# Altium PCB pasta_razer_panthera_ps3_ps4.pcbdoc
Units mil, origin at the board's own origin, x right, y up, seen from the top; angles counter-clockwise.
Board outline 5875.98 x 2282.09 mil, 2 copper layers (Top Layer, Bottom Layer), stack 65.3 mil thick; 32 components, 44 nets, 151 pads, 134 vias.
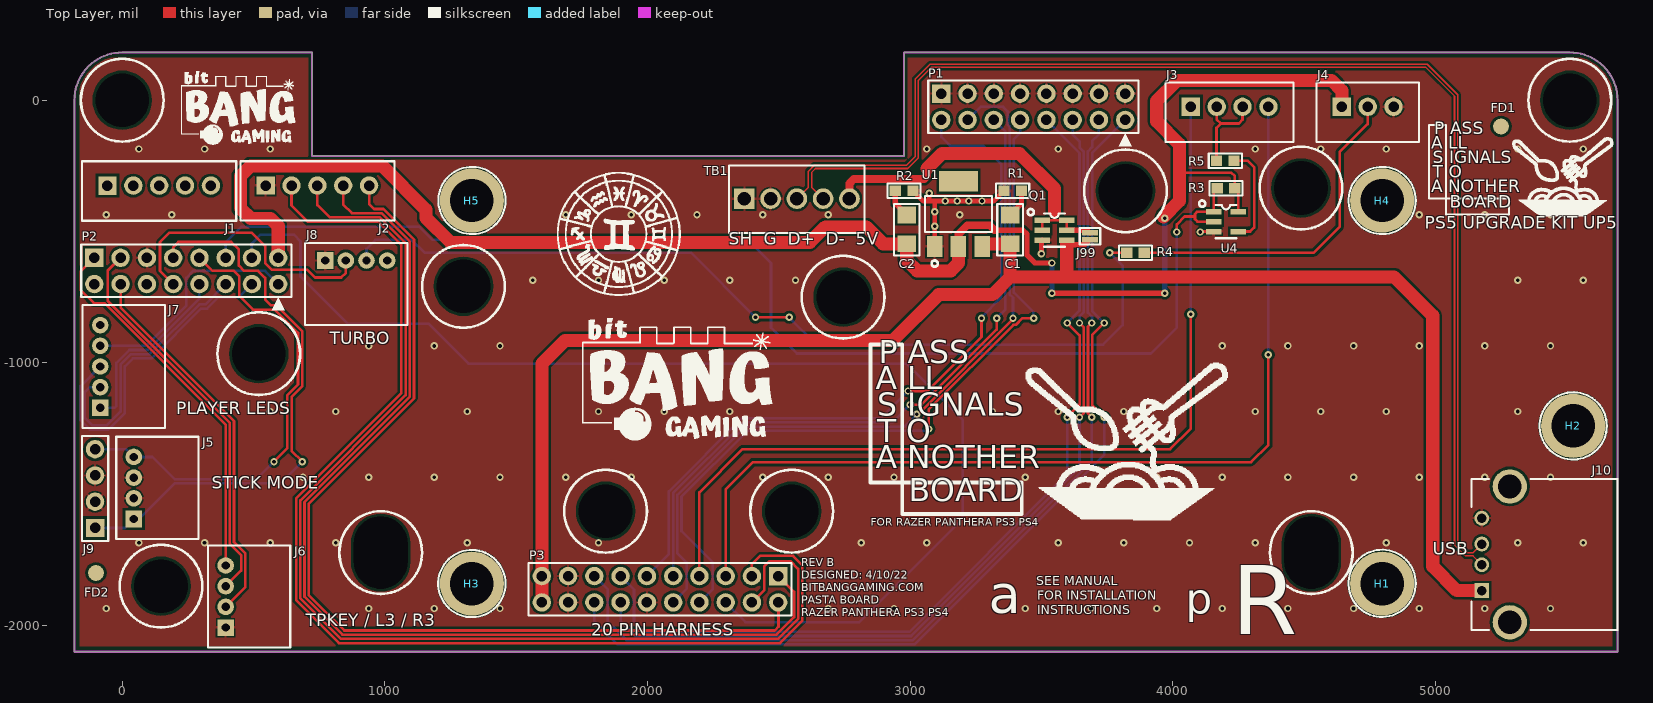
[diagram p0: Top Layer view]
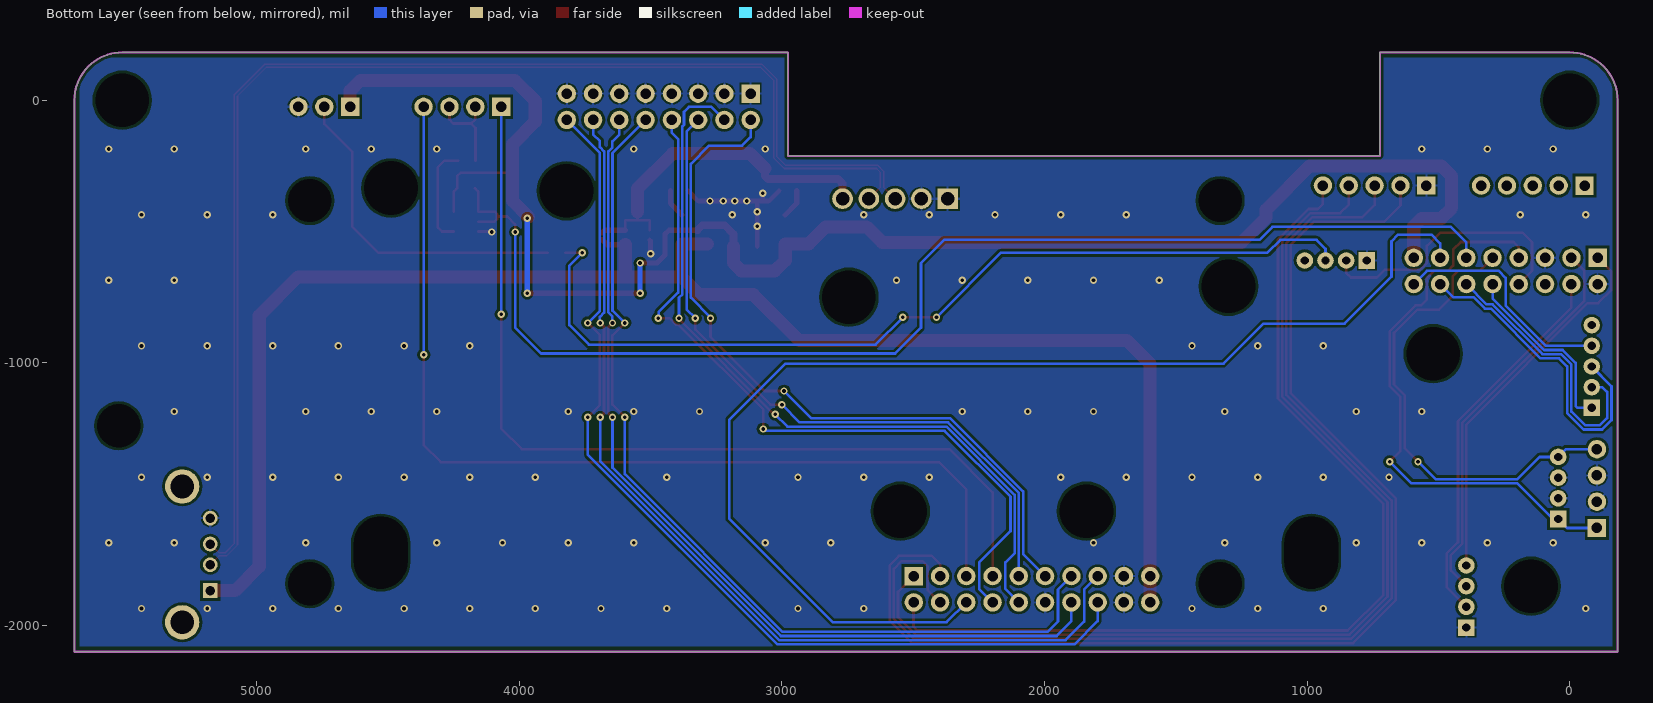
[diagram p1: Bottom Layer view, seen from below]

## Layer stack, top to bottom
Top Layer: signal copper 1.4
Dielectric: core 62.5, FR-4, Dk 4.8
Bottom Layer: signal copper 1.4

## Board outline
-182.09,-2100 -182.09,0 cw(c0,0) 0,182.09 723.43,182.09 723.43,-211.61 2977.36,-211.61 2977.36,182.09 5511.81,182.09 cw(c5511.81,0) 5693.9,0 5693.9,-2100

## Design rules (kind name [scope] priority, off if disabled: settings)
AssemblyTestPointUsage UnpouredPolygon [All] p2:
AssemblyTestPointUsage BoardOutlineClearance [All] p3:
Clearance "Clearance Polygons" [InPolygon] p1: gap=10
Clearance [All] p2: gap=6
ComponentClearance "HM-TRP & UFL" [InComponent('X1') vs InComponent('U1')] p1: gap=0 collisioncheckmode=3 verticalgap=0 showdistances=FALSE
ComponentClearance [All] p2: gap=1 collisioncheckmode=3 verticalgap=1 showdistances=FALSE
DiffPairsRouting DiffPair_DIFF90DiffPairsRouting [InDifferentialPairClass('DIFF90')] p1: maxlimit=6 minlimit=6 mostfreqgap=6 maxuncoupledlength=100
DiffPairsRouting [InNetClass('DIFF90')] p2: maxlimit=393.7 minlimit=5 mostfreqgap=8 maxuncoupledlength=500
HoleSize [All] p1: absolutevalues=TRUE maxlimit=1000 minlimit=7.87 maxpercent=80.000 minpercent=20.000
HoleToHoleClearance [All] p1: gap=10 allowstackedmicrovias=FALSE
MatchedLengths DiffPair_DIFF90MatchedLengths [InDifferentialPairClass('DIFF90')] p1: tolerance=5 checknetsindiffpair=TRUE checkdiffpairvsdiffpair=TRUE checkothers=TRUE
MinimumAnnularRing [All] p1: minimumring=3.9
MinimumSolderMaskSliver [All] p1: minsoldermaskwidth=0
PlaneClearance [All] p1: clearance=10
PlaneConnect [All] p1: planeconnectstyle=Relief reliefexpansion=4 reliefentries=4 reliefconductorwidth=6 reliefairgap=6
PolygonConnect "Via connect style" [isVia] p1: connectstyle=Direct reliefconductorwidth=10 reliefentries=4 polygonreliefangle="90 Angle" airgapwidth=10
PolygonConnect [All] p2: connectstyle=Relief reliefconductorwidth=10 reliefentries=4 polygonreliefangle="90 Angle" airgapwidth=6
RoutingCorners [All] p1: cornerstyle=45-Degree minsetback=49.21 maxsetback=49.21
RoutingVias [All] p1: holewidth=14 width=28 viastyle="Through Hole" minholewidth=14 minwidth=28 maxholewidth=14 maxwidth=28
SilkToSilkClearance [All] p1: silktosilkclearance=0
SilkToSolderMaskClearance [IsPad] p1: minsilkscreentomaskgap=0.5 clearancetoexposedcopper=TRUE
SolderMaskExpansion [All] p1: expansion=2.5
Width DiffPair_DIFF90Width [InDifferentialPairClass('DIFF90')] p1: maxlimit=6 minlimit=6 preferedwidth=6
Width GND [InNet('GND')] p2: maxlimit=400 minlimit=10 preferedwidth=20
Width Power [InNetClass('Power')] p3: maxlimit=40 minlimit=20 preferedwidth=30
Width 3V3 [InNetClass('3V3')] p4: maxlimit=30 minlimit=10 preferedwidth=20
Width [All] p5: maxlimit=400 minlimit=6 preferedwidth=8
18 further rules are at their usual default settings.

## Classes and differential pairs
net class DIFF90: PRE_USB0_N PRE_USB0_P
differential pair class DIFF90: POST_USB0 PRE_USB0
differential pair PRE_USB0: +PRE_USB0_P -PRE_USB0_N

## Components (designator, comment, footprint, x,y, rotation, side; value= is the part's Value field where it differs from the comment)
C1 "10uF" C1206 3380.91,-492.13 r0 top locked
C2 "10uF" C1206 2987.2,-492.13 r0 top locked
FD1 "FIDUCIAL 60MIL CIRCLE" FIDUCIAL-SQUARE-0.060 5250,-100 r0 top
FD2 "FIDUCIAL 60MIL CIRCLE" FIDUCIAL-SQUARE-0.060 -100,-1800 r90 top
H1 "M3" STANDOFF-KEYSTONE-24882#1 4797.27,-1839.47 r0 top
H2 "M3" STANDOFF-KEYSTONE-24882#2 5525,-1240 r0 top
H3 "M3" STANDOFF-KEYSTONE-24882#3 1331.26,-1840.55 r0 top
H4 "M3" STANDOFF-KEYSTONE-24882#2 4797.27,-381.89 r0 top
H5 "M3" STANDOFF-KEYSTONE-24882#2 1331.69,-381.89 r0 top
J1 "B5B-XH-A(LF)(SN)" CONN-JST-B5B-XH-A(LF)(SN) -56.1,-325 r180 top locked
J2 "B5B-XH-A(LF)(SN)" CONN-JST-B5B-XH-A(LF)(SN) 546.26,-324.8 r180 top locked
J3 "B4B-XH-A(LF)(SN)" CONN-JST-B4B-XH-A(LF)(SN) 4068.9,-25 r180 top locked
J4 "B3B-XH-A(LF)(SN)" CONN-JST-B3B-XH-A(LF)(SN) 4643.9,-25 r180 top locked
J5 "S4B-PH-K-S(LF)(SN)" CONN-JST-S4B-PH-K-S(LF)(SN) 44.29,-1594.49 r90 top locked
J6 "S4B-PH-K-S(LF)(SN)" CONN-JST-S4B-PH-K-S(LF)(SN) 393.7,-2007.87 r90 top locked
J7 "S5B-PH-K-S(LF)(SN)" CONN-JST-S5B-PH-K-S(LF)(SN) -83.66,-1171.26 r90 top locked
J8 "S4B-PH-K-S(LF)(SN)" CONN-JST-S4B-PH-K-S(LF)(SN) 772.64,-610.24 r0 top locked
J9 "M20-9990446" CONN-1X4-HEADER-0.100-SIL -103.35,-1628.73 r90 top locked
J10 "USB-A-S-S-W-TH" CONN-USB-TYPE-A-FEMALE-RA 5283.46,-1729.19 r90 top
J99 "60 MIL SOLDER SHORT BRDIGE" SOLDER-SHORT 3685,-518 r90 top
P1 "PH2-16-UA" CONN-THRU-2X8-HEADER-0.100 3118.9,25 r0 top locked
P2 "PH2-16-UA" CONN-THRU-2X8-HEADER-0.100 -106.1,-600 r0 top locked
P3 "PH2-20-UA" CONN-THRU-2X10-HEADER-0.100 2497.71,-1812.04 r180 top locked
Q1 "DMP3056LDM-7" IC-SOT23-6 3550,-495 r0 top
R1 "1" r0603 3390.75,-344.49 r270 top locked
R2 "1" r0603 2977.36,-344.49 r90 top locked
R3 "10k" r0603 4202.76,-334.65 r90 top
R4 "100" r0603 3858.27,-580.71 r270 top
R5 "1.5k" r0603 4200,-230 r270 top
TB1 "OSTVN05A150" TB-5PIN-OST-OSTVN05A150 2368.9,-375 r0 top locked
U1 "NCP1117LPST33T3G" IC-SOT-223 3184.06,-433.07 r90 top locked
U4 "SN74AHC1G02DBVT" IC-SOT23-5 4202.76,-462.6 r0 top

## Footprints (in the part's own frame and the unit in brackets; to place one, negate y for a bottom-side part, rotate by r counter-clockwise, add the part's x,y. Pads: shape width x height; smd on the part's side, far side on the other; paste and mask are expansions set on the pad)
C1206 [mm]
  rect 1.8x1.6 smd: 1(0,1.4) 2(0,-1.4)
  silkscreen extent -1.25,-2.5 1.25,2.45, body extent -0.9,-1.9 0.9,1.9, height 1.35
CONN-1X4-HEADER-0.100-SIL [mil]
  rect 70x70 hole 40: 1(0,0)
  round 70 hole 40: 2(100,0) 3(200,0) 4(299.99,0)
  silkscreen extent -50,-50 350,50, body extent -49,-49 349,49, height 337
CONN-JST-B3B-XH-A(LF)(SN) [mil]
  rect 70x70 hole 40: 1(0,0)
  round 70 hole 40: 2(-98.43,0) 3(-196.85,0)
  silkscreen extent -293,-93 96,134, body extent -293,-93 96,134, height 276
CONN-JST-B4B-XH-A(LF)(SN) [mil]
  rect 70x70 hole 40: 1(0,0)
  round 70 hole 40: 2(-98.43,0) 3(-196.85,0) 4(-295.28,0)
  silkscreen extent -392,-93 96,134, body extent -392,-93 96,134, height 276
CONN-JST-B5B-XH-A(LF)(SN) [mil]
  rect 70x70 hole 40: 1(0,0)
  round 70 hole 40: 2(-98.43,0) 3(-196.85,0) 4(-295.28,0) 5(-393.7,0)
  silkscreen extent -490,-93 96,134, body extent -490,-93 96,134, height 276
CONN-JST-S4B-PH-K-S(LF)(SN) [mm]
  rect 1.6x1.6 hole 0.8: 1(0,0)
  round 1.6 hole 0.8: 2(2,0) 3(4,0) 4(6,0)
  silkscreen extent -1.95,-6.25 7.95,1.7, body extent -1.95,-6.25 7.95,1.35, height 4.82
CONN-JST-S5B-PH-K-S(LF)(SN) [mm]
  rect 1.6x1.6 hole 0.8: 1(0,0)
  round 1.6 hole 0.8: 2(2,0) 3(4,0) 4(6,0) 5(8,0)
  silkscreen extent -1.95,-6.25 9.95,1.7, body extent -1.95,-6.25 9.95,1.35, height 4.82
CONN-THRU-2X8-HEADER-0.100 [mil]
  rect 70x70 hole 40: 1(0,0)
  round 70 hole 40: 2(0,-100) 3(100,0) 4(100,-100) 5(200,0) 6(200,-100) 7(300,0) 8(300,-100) 9(400,0) 10(400,-100) 11(500,0) 12(500,-100) 13(600,0) 14(600,-100) 15(700,0) 16(700,-100)
  silkscreen extent -50,-150 750,50, body extent -49,-149 749,49, height 337
CONN-THRU-2X10-HEADER-0.100 [mil]
  rect 70x70 hole 40: 1(0,0)
  round 70 hole 40: 2(0,100) 3(100,0) 4(100,100) 5(200,0) 6(200,100) 7(300,0) 8(300,100) 9(400,0) 10(400,100) 11(500,0) 12(500,100) 13(600,0) 14(600,100) 15(700,0) 16(700,100) 17(800,0) 18(800,100) 19(900,0) 20(900,100)
  silkscreen extent -50,-50 950,150, body extent -50,-50 950,150, height 396
CONN-USB-TYPE-A-FEMALE-RA [mm]
  rect 1.428x1.428 hole 0.92: 1(-3.5,2.71)
  round 1.428 hole 0.92: 2(-1,2.71) 3(1,2.71) 4(3.5,2.71)
  round 3.316 hole 2.3: S1(-6.57,0) S2(6.57,0)
  silkscreen extent -7.3,-10.4 7.3,3.7, body extent -7.87,-10.4 7.87,3.7, height 7.49
FIDUCIAL-SQUARE-0.060 [mil]
  round 60 smd paste-100 mask+10: FID(0,0)
IC-SOT23-5 [mil]
  rect 58x21 smd: 1(-46.5,37.4) 2(-46.5,0) 3(-46.5,-37.4) 4(46.5,-37.4) 5(46.5,37.4)
  silkscreen extent -102,-63 39,81, body extent -63,-59 63,59, height 36
IC-SOT23-6 [mil]
  rect 58x21 smd: 1(-46.5,37.4) 2(-46.5,0) 3(-46.5,-37.4) 4(46.5,-37.4) 5(46.5,0) 6(46.5,37.4)
  silkscreen extent -102,-63 39,81, body extent -64,-61 62,61, height 57
IC-SOT-223 [mm]
  rect 2x1.5 smd: 1(-3.15,2.3) 2(-3.15,0) 3(-3.15,-2.3)
  rect 2x3.8 smd: 4(3.15,0)
  silkscreen extent -5.1,-3.25 1.75,3.25, body extent -3.5,-3.25 3.5,3.25, height 1.71
r0603 [mm]
  rect 1x1.1 smd: 1(0,0.85) 2(0,-0.85)
  silkscreen extent -0.7,-1.6 0.7,1.6, body extent -0.47,-0.95 0.48,0.95, height 0.85
SOLDER-SHORT [mil]
  rect 20x60 smd mask+10: 1(-13,0) 2(13,0)
  silkscreen extent -32,-39 32,39
STANDOFF-KEYSTONE-24882#1 [mm]
  round 6.2 / inner round 0.635 / far side round 0.635 hole 4.2: 1(0,-0.027)
  silkscreen extent -3.25,-3.25 3.25,3.25, body extent -2.78,-2.79 2.78,2.77, height 3.02
STANDOFF-KEYSTONE-24882#2 [mm]
  round 6.2 / inner round 0.635 / far side round 0.635 hole 4.2: 1(0,0)
  silkscreen extent -3.25,-3.25 3.25,3.25, body extent -2.78,-2.79 2.78,2.77, height 3.02
STANDOFF-KEYSTONE-24882#3 [mm]
  round 6.2 / inner round 0.635 / far side round 0.635 hole 4.2: 1(0.011,0)
  silkscreen extent -3.25,-3.25 3.25,3.25, body extent -2.78,-2.79 2.78,2.77, height 3.02
TB-5PIN-OST-OSTVN05A150 [mm]
  rect 2x2 hole 1.3: 1(0,0)
  round 2 hole 1.3: 2(2.54,0) 3(5.08,0) 4(7.62,0) 5(10.16,0)
  silkscreen extent -1.47,-3.3 11.63,3.2, body extent -1.47,-3.3 11.63,3.2, height 8.52

## Part data
C1 C2: library part CL31B106KAHNFNE, "CAP CER 10UF 25V X7R 1206"
H1 H2 H3 H4 H5: library part 24882, "ROUND STANDOFF M3 STEEL 3MM\""
J1 J2: "CONN HEADER VERT 5POS 2.5MM"
J3: "CONN HEADER VERT 4POS 2.5MM"
J4: "CONN HEADER VERT 3POS 2.5MM"
J5 J6 J8: "CONN HEADER R/A 4POS 2MM"
J7: "CONN HEADER R/A 5POS 2MM"
J9: "CONN HEADER VERT 4POS 2.54MM"
J10: "CONN RCPT USB2.0 TYPEA 4POS R/A"
J99: library part "SOLDER BRIDGE"
P1 P2: "CONN HEADER VERT 16POS 2.54MM"
P3: "CONN HEADER VERT 20POS 2.54MM"
Q1: "MOSFET P-CH 30V 4.3A SOT-26"
R1 R2: library part CRCW06031R00FKEA, "RES SMD 1 OHM 1% 1/10W 0603"
R3: library part CRCW060310K0FKEA, "RES SMD 10K OHM 1% 1/10W 0603"
R4: library part CRCW0603100RFKEA, "RES SMD 100 OHM 1% 1/10W 0603"
R5: library part CRCW06031K50FKEB, "RES SMD 1.5K OHM 1% 1/10W 0603"
TB1: "TERM BLK 5P SIDE ENT 2.54MM PCB"
U1: "IC REG LINEAR 3.3V 1A SOT223"
U4: "IC GATE NOR 1CH 2-INP SOT23-5"

## Free pads (board coordinates)
  round 3.94 hole 204.72 unplated: 0(0,0) 0(147.64,-1850.39) 0(520,-965) 0(1299.21,-708.66) 0(1840.55,-1564.96) 0(2549.21,-1564.96) 0(2745,-750) 0(3820,-345) 0(4488.19,-334.65) 0(5511.81,0)
  round 3.94 hole 204.72 slot 275.59 at 90 deg unplated: 0(984.25,-1722.44) 0(4527.56,-1722.44)

## Via types
v1: diameter 28, hole 14, Top Layer to Bottom Layer, tented both sides, 134 vias

## Nets (pads, with @x,y where several pads share a name; then routed paths per layer and width w, separated by ;. In a path a pad name is that pad's centre, name@x,y a point inside that pad or via, vN(x,y) a via of type N, cw(c..) or ccw(c..) an arc to the next point about the centre after c; other vN are vias at no path point)
+3.3V: C2.2 J4.1 P2.15 R3.2 U1.2 U4.5 | length 6539
  Top Layer w10: 4025.59,-275.59 4222.44,-275.59 4236.22,-289.37 R3.2 4249.26,-347.68 U4.5
  Top Layer w20: 3321.85,-495 3430.12,-495 3445,-509.88 3445,-590 3475,-620 v1(3540,-620) ; v1(3540,-735) v1(3970,-735)
  Top Layer w30: U1.2 3184.06,-509.84 3217.9,-476 3302.85,-476 3321.85,-495
  Top Layer w50: P2.15 593.9,-480 563.9,-450 488.9,-450 449.8,-410.91 449.8,-289.09 488.9,-250 990,-250 1156.5,-416.5 1156.5,-447.83 1250,-541.34 2618.11,-541.34 2677.17,-482.28 2832.8,-482.28 2897.76,-547.24 C2.2 2987.2,-610.24 3026.57,-649.61 3154.53,-649.61 3184.06,-620.08 U1.2 ; v1@3965,-444.45 4025.59,-383.86 4025.59,-275.59 4025.59,-167.32 3938.9,-80.63 3938.9,-2.48 4016.38,75 4604.9,75 4643.9,36 J4.1
  Bottom Layer w20: v1(3540,-735) v1(3540,-620) ; v1(3970,-735) v1(3970,-449.45)
+5V: C1.2 J10.1 J99.1 P3.19 P3.20 Q1.4 U1.3 | length 6123
  Top Layer w20: 3596.5,-550 3666,-550 J99.1
  Top Layer w50: P3.20 P3.19 1597.71,-1003 1685.35,-915.35 2933.07,-915.35 3108.43,-740 3313.9,-740 3380.91,-672.99 ; U1.3@3284.45,-547.24 C1.2 3380.91,-672.99 ; 3596.5,-550 3596.5,-666.49 3590,-672.99 ; J10.1 5081.99,-1866.99 4990,-1775 4990,-820 4842.99,-672.99 3590,-672.99 ; 3380.91,-672.99 3590,-672.99
DOWN: J2.5 P3.2 | length 3760.5
  Top Layer w10: J2.5 939.96,-395.38 958.9,-414.31 994.31,-414.31 1110.99,-530.99 1110.99,-1135.53 710,-1536.53 710,-1883.47 845.53,-2019 2484.64,-2019 2498.9,-2004.75 2498.9,-1913.23 P3.2
GND: J2.1 J4.3 J5.2 J5.3 J6.1 J8.1 J9.2 J9.3 J10.4 P1.1 P1.3 P1.5 P1.7 P1.9 P1.11 P1.13 P1.15 P2.2 P2.5 P3.12 P3.17 P3.18 Q1.3 R1.2 R2.2 TB1.1 TB1.2 U1.1 U4.3 | length 689.4
  Top Layer w10: v1@4106.3,-500 U4.3
  Top Layer w18: R2.2 3050.2,-383.86 3072.83,-383.86 ; v1(3072.83,-354.33) 3072.83,-383.86 ; U1.1 3093.5,-385.83 3095.47,-383.86 ; R1.2 3317.91,-383.86 3095.47,-383.86 ; v1(3500,-585) 3500,-535.9 Q1.3 ; v1(4104.33,-501.97) v1@4106.3,-500 ; 3072.83,-383.86 3095.47,-383.86
  other v1: -61.42,-1935.51 938.58,-1935.51 1188.58,-1935.51 1438.58,-1935.51 2688.58,-1935.51 2938.58,-1935.51 3438.58,-1935.51 3688.58,-1935.51 3938.58,-1935.51 4188.58,-1935.51 4438.58,-1935.51 4688.58,-1935.51 4938.58,-1935.51 5188.58,-1935.51 5438.58,-1935.51 63.58,-1685.51 313.58,-1685.51 563.58,-1685.51 813.58,-1685.51 1313.58,-1685.51 1813.58,-1685.51 2813.58,-1685.51 3063.58,-1685.51 3563.58,-1685.51 3813.58,-1685.51 4063.58,-1685.51 4313.58,-1685.51 4813.58,-1685.51 5313.58,-1685.51 5563.58,-1685.51 688.58,-1435.51 938.58,-1435.51 1188.58,-1435.51 1438.58,-1435.51 1688.58,-1435.51 1938.58,-1435.51 2438.58,-1435.51 2688.58,-1435.51 2938.58,-1435.51 3438.58,-1435.51 3938.58,-1435.51 4188.58,-1435.51 4438.58,-1435.51 4688.58,-1435.51 4938.58,-1435.51 5188.58,-1435.51 5438.58,-1435.51 563.58,-1185.51 813.58,-1185.51 1313.58,-1185.51 1813.58,-1185.51 2063.58,-1185.51 2313.58,-1185.51 3313.58,-1185.51 3563.58,-1185.51 3813.58,-1185.51 4313.58,-1185.51 4563.58,-1185.51 4813.58,-1185.51 5313.58,-1185.51 938.58,-935.51 1188.58,-935.51 1438.58,-935.51 4188.58,-935.51 4438.58,-935.51 4688.58,-935.51 4938.58,-935.51 5188.58,-935.51 5438.58,-935.51 1563.58,-685.51 1813.58,-685.51 2063.58,-685.51 2313.58,-685.51 2563.58,-685.51 5313.58,-685.51 5563.58,-685.51 3093.9,-480 -61.42,-435.51 188.58,-435.51 1688.58,-435.51 1938.58,-435.51 2188.58,-435.51 2438.58,-435.51 2688.58,-435.51 3188.58,-435.51 4938.58,-435.51 5188.58,-435.51 5438.58,-435.51 3093.5,-425 3133.9,-383.86 3178.9,-383.86 3223.9,-383.86 3273.9,-383.86 63.58,-185.51 313.58,-185.51 563.58,-185.51 3063.58,-185.51 3563.58,-185.51 4313.58,-185.51 4563.58,-185.51 4813.58,-185.51 5313.58,-185.51 5563.58,-185.51
HOME: P2.13 P3.6 | length 4620.2
  Bottom Layer w10: P2.13 493.9,-545 526.9,-512 653.9,-512 678.9,-537 678.9,-672 857.9,-851 1165.96,-851 1317.96,-1003 2986.9,-1003 3200.9,-1217 3200.9,-1593 2806.9,-1987 2372.67,-1987 P3.6
K1: P1.10 P3.13 | length 3567.5
  Top Layer w10: v1(3597.9,-1207) 3645.42,-1159.48 3645.42,-895.52 v1(3597.9,-848)
  Bottom Layer w10: P3.13 1948.9,-1863.23 1948.9,-1985 1987.9,-2024 2997.27,-2024 3597.9,-1423.37 v1(3597.9,-1207) ; P1.10 3644.9,-201 3644.9,-801 v1(3597.9,-848)
K2: P1.12 P3.14 | length 3469.5
  Top Layer w10: v1(3644.9,-1207) 3661.42,-1190.48 3661.42,-864.52 v1(3644.9,-848)
  Bottom Layer w10: P3.14 1897.71,-1983.81 1953.9,-2040 3003.9,-2040 3644.9,-1399 v1(3644.9,-1207) ; P1.12 3618.9,-130 3645.9,-157 3645.9,-179.37 3660.9,-194.37 3660.9,-807.63 3645.9,-822.63 3645.9,-847 v1(3644.9,-848)
K3: P1.14 P3.15 | length 3684.5
  Top Layer w10: v1(3691.9,-1207) 3677.42,-1192.52 3677.42,-862.48 v1(3691.9,-848)
  Bottom Layer w10: P3.15 1848.9,-1863.23 1848.9,-1985 1919.9,-2056 3010.53,-2056 3691.9,-1374.63 v1(3691.9,-1207) ; v1@3692.9,-848 3692.9,-824.63 3676.9,-808.63 3676.9,-194.37 3692.9,-178.37 3692.9,-156 3718.9,-130 P1.14
K4: P1.16 P3.16 | length 3732.6
  Top Layer w10: v1(3738.9,-1207) 3738.9,-1206.9 3693.42,-1161.42 3693.42,-893.48 v1(3738.9,-848)
  Bottom Layer w10: P3.16 1797.71,-1983.81 1885.9,-2072 3017.15,-2072 3738.9,-1350.25 v1(3738.9,-1207) ; v1(3738.9,-848) 3692.9,-802 3692.9,-201 P1.16
L3: J6.3 P2.3 | length 1505.5
  Top Layer w10: P2.3 -55.1,-649 -55.1,-763.63 409.7,-1228.43 409.7,-1689.23 452.76,-1732.28 452.76,-1791.34 J6.3
LEFT: J2.3 P3.4 | length 4477.1
  Top Layer w10: J2.3 743.11,-399.21 790.21,-446.31 981.06,-446.31 1078.99,-544.25 1078.99,-1122.28 678,-1523.27 678,-1896.73 832.27,-2051 2497.9,-2051 2573.9,-1975 2573.9,-1785 2543.9,-1755 2463.9,-1755 2444.75,-1774.15 2444.75,-1865 P3.4
LOCK: P2.11 R3.1 U4.1 U4.2 | length 4830.8
  Top Layer w10: v1(4015.75,-501.97) 4015.75,-472.44 4045.28,-442.91 4084.65,-442.91 ; U4.2 4094.49,-462.6 4084.65,-452.76 4084.65,-442.91 ; R3.1 4156.26,-347.68 U4.1 4092.52,-425.2 4084.65,-433.07 4084.65,-442.91
  Bottom Layer w10: P2.11 393.9,-541.14 452.76,-482.28 1131.89,-482.28 1181.1,-531.5 2381.89,-531.5 2470.47,-620.08 2470.47,-866.14 2568.9,-964.57 3917.32,-964.57 4015.75,-866.14 v1(4015.75,-501.97)
LOCK_GND: J3.2 J3.3 R5.2 | length 356.2
  Top Layer w10: R5.2 4166.54,-105.12 4183.07,-88.58 ; J3.2 4167.32,-72.83 4183.07,-88.58 ; J3.3 4265.75,-74.25 4251.42,-88.58 4183.07,-88.58
LS: J5.4 J9.4 P2.9 | length 1821.5
  Top Layer w10: P2.9 343.9,-650 424.9,-650 444.9,-670 444.9,-744 498.14,-797.24 580.71,-797.24 669.29,-885.83 669.29,-1082.68 628.9,-1123.07 628.9,-1325 v1(577.9,-1376)
  Bottom Layer w10: J9.4 14.76,-1328.74 J5.4 115.17,-1358.27 199.9,-1443 510.9,-1443 v1(577.9,-1376)
NetC1_1: C1.1 R1.1 | length 110.5
  Top Layer w20: C1.1 3424.21,-393.7 R1.1
NetC2_1: C2.1 R2.1 | length 110.5
  Top Layer w20: R2.1 2943.9,-393.7 C2.1
NetJ4_2: J4.2 R4.1 | length 1286.3
  Top Layer w10: R4.1 4537.4,-580.71 4635.83,-482.28 4635.83,-196.85 4742.32,-90.35 J4.2
NetJ99_2: J99.2 Q1.1 Q1.2 Q1.5 Q1.6 TB1.5 | length 1340.9
  Top Layer w10: Q1.2 Q1.1 3550,-457.6 ; 3550,-425 3550,-457.6 ; Q1.5 Q1.6 3550,-457.6
  Top Layer w20: Q1.5 3675,-495 J99.2
  Top Layer w30: TB1.5 2768.9,-316.73 2785.63,-300 3053.9,-300 3064.51,-289.39 3064.51,-259.39
  Top Layer w50: 3064.51,-259.39 3120.9,-203 3416.58,-203 3550,-336.42 3550,-425
NetR5_1: R5.1 U4.4 | length 383.8
  Top Layer w10: R5.1 4285,-230 4310,-255 4310,-485 4295,-500 U4.4
P1: P1.8 P3.8 | length 2935.3
  Top Layer w10: v1(3070.9,-1252) 3070.9,-1177.11 3393.01,-855 3402.25,-855 3427.25,-830 v1(3470.9,-830)
  Bottom Layer w10: P3.8 2248.9,-1860.85 2248.9,-1760 2129.71,-1640.81 2129.71,-1509.44 2380.52,-1258.63 3064.27,-1258.63 v1(3070.9,-1252) ; P1.8 3418.9,-124 3394.9,-148 3394.9,-732.37 3468.9,-806.37 v1@3468.9,-830
P1_LED: J7.4 P2.16 | length 878.4
  Bottom Layer w10: J7.4 90.86,-935.04 243.9,-782 243.9,-676 269.9,-650 543.9,-650 P2.16
P2: P1.6 P3.9 | length 2636
  Top Layer w10: v1(2999.9,-1159) 3043.76,-1159 3329.9,-872.86 v1(3329.9,-830)
  Bottom Layer w10: P3.9 2097.71,-1496.19 2367.27,-1226.63 2932.27,-1226.63 v1(2999.9,-1159) ; P1.6 3362.9,-119 3362.9,-796 3329.9,-829 v1(3329.9,-830)
P2_LED: J7.3 P2.14 | length 1237.1
  Bottom Layer w10: J7.3 -159.1,-1089.22 -159.1,-1218 -123.1,-1254 -52.43,-1254 9.84,-1191.73 9.84,-1013.78 40.58,-983.04 110.74,-983.04 300.22,-793.56 322.97,-793.56 366.53,-750 443.9,-750 P2.14
P3: P1.4 P3.10 | length 2980.4
  Top Layer w10: v1(3025.9,-1196) 3029.38,-1196 3391.9,-833.49 v1(3391.9,-830)
  Bottom Layer w10: P3.10 2148.9,-1860.85 2148.9,-1760.19 2113.71,-1725 2113.71,-1502.82 2373.9,-1242.63 2979.27,-1242.63 v1(3025.9,-1196) ; P1.4 3268.9,-25 3353.9,-25 3372.9,-44 3372.9,-94.05 3378.9,-100.05 3378.9,-739 3391.9,-752 v1(3391.9,-830)
P3_LED: J7.2 P2.12 | length 1039.8
  Bottom Layer w10: J7.2 -123.62,-1092.52 -142.1,-1111 -142.1,-1210 -114.1,-1238 -59.06,-1238 -6.16,-1185.1 -6.16,-1007.15 33.96,-967.04 104.11,-967.04 293.59,-777.56 316.34,-777.56 P2.12
P4: P1.2 P3.11 | length 2816.8
  Top Layer w10: v1(2991.9,-1107) 3066.23,-1107 3271.9,-901.33 v1(3271.9,-830)
  Bottom Layer w10: P3.11 2081.71,-1728.04 2081.71,-1489.56 2360.64,-1210.63 2888.27,-1210.63 v1(2991.9,-1107) ; P1.2 3118.9,-140 3151.9,-173 3277.9,-173 3346.9,-242 3346.9,-752 3271.9,-827 v1(3271.9,-830)
P4_LED: J7.1 P2.10 | length 700.5
  Bottom Layer w10: J7.1 -29.53,-1171.26 -22.16,-1163.89 -22.16,-1000.52 27.33,-951.04 97.49,-951.04 293.9,-754.63 P2.10
PRE_USB0_N: J10.2 TB1.4 | length 4794.1
  Top Layer w6: TB1.4 2624.9,-331 2624.9,-275 2639.9,-260 2990.87,-260 3027.38,-223.49 3030.9,-219.97 3030.9,75.03 3080.87,125 4963.9,125 5073,15.9 5073,-1693.16 5115.03,-1735.19 5143.39,-1735.19 J10.2
PRE_USB0_P: J10.3 TB1.3 | length 4813.9
  Top Layer w6: TB1.3 2612.9,-331 2612.9,-270.03 2634.93,-248 2985.9,-248 3018.9,-215 3018.9,80 3075.9,137 4968.87,137 5085,20.87 5085,-1688.19 5120,-1723.19 5143.39,-1723.19 J10.3
PS3_MODE: J8.2 P2.8 | length 1065.7
  Top Layer w10: P2.8 143.9,-650 143.9,-540 178.9,-505 493.9,-505 543.9,-555 543.9,-620 569.9,-646 704.9,-646 733.9,-675 833.9,-675 851.38,-657.52 J8.2
PWM: J8.3 R4.2 | length 3494.9
  Top Layer w10: v1(2411.42,-826.77) v1(2539.37,-826.77) ; v1(3759.84,-580.71) R4.2
  Bottom Layer w10: J8.3 930.12,-565.94 964.57,-531.5 1102.36,-531.5 1151.57,-580.71 2165.35,-580.71 v1(2411.42,-826.77) ; v1(2539.37,-826.77) 2643.6,-931 3734.35,-931 3809.06,-856.3 3809.06,-629.92 v1(3759.84,-580.71)
R3: J6.2 P2.4 | length 1456.9
  Top Layer w10: P2.4 -6.1,-790 425.7,-1221.8 425.7,-1682.6 468.76,-1725.66 468.76,-1854.08 J6.2
RIGHT: J2.2 P3.3 | length 4582.6
  Top Layer w10: J2.2 644.69,-400.79 706.21,-462.31 974.43,-462.31 1062.99,-550.87 1062.99,-1115.65 662,-1516.64 662,-1903.36 825.64,-2067 2504.53,-2067 2589.9,-1981.63 2589.9,-1771 2553.9,-1735 2428.9,-1735 2397.71,-1766.19 P3.3
RS: J5.1 J9.1 P2.7 | length 2188.4
  Top Layer w10: P2.7 193.9,-560 213.9,-540 414.9,-540 443.9,-569 443.9,-630 463.9,-650 517.9,-650 543.9,-676 543.9,-758 567.14,-781.24 587.34,-781.24 685.29,-879.2 685.29,-1089.3 644.9,-1129.7 644.9,-1335 v1(685.9,-1376)
  Bottom Layer w10: J9.1 10.05,-1628.73 J5.1 64.41,-1594.49 199.9,-1459 602.9,-1459 v1(685.9,-1376)
SELECT: J3.4 P3.5 | length 3754.5
  Top Layer w10: P3.5 2297.71,-1481.82 2401.57,-1377.95 4298.94,-1377.95 4364.17,-1312.72 v1(4364.17,-969.72)
  Bottom Layer w10: v1(4364.17,-969.72) J3.4
START: J3.1 P3.7 | length 3515.7
  Top Layer w10: P3.7 2197.71,-1493.24 2362.2,-1328.74 3990.16,-1328.74 4068.9,-1250 v1(4068.9,-815)
  Bottom Layer w10: v1(4068.9,-815) J3.1
TOUCH: P2.6
TOUCHPAD_1: J1.1
TOUCHPAD_2: J1.2
TOUCHPAD_3: J1.3
TOUCHPAD_4: J1.4
TOUCHPAD_5: J1.5
TPKEY: J6.4 P2.1 | length 1445
  Top Layer w10: P2.1 -158.1,-652 -158.1,-723 -108.1,-773 -68.36,-773 393.7,-1235.06 J6.4
UP: J2.4 P3.1 | length 4035.6
  Top Layer w10: J2.4 841.54,-397.64 874.21,-430.31 987.69,-430.31 1094.99,-537.62 1094.99,-1128.91 694,-1529.9 694,-1890.1 838.9,-2035 2491.27,-2035 2557.9,-1968.37 2557.9,-1872.23 P3.1
pads on no net: FD1.FID FD2.FID H1.1 H2.1 H3.1 H4.1 H5.1 J7.5 J8.4 J10.S1 J10.S2 U1.4

## Polygon pours and split planes (outlines as drawn)
GND on Bottom Layer "MidLayer1 GND-No Net" (solid, remove dead copper, pour order 4): 5673.9,-2080 -162.1,-2080 -162.1,162 5673.9,162
GND on Top Layer "MidLayer1 GND-No Net" (solid, remove dead copper, pour order 3): 5673.9,-2080 -162.1,-2080 -162.1,162 5673.9,162

## Keep-outs
Keep-Out Layer:
  the board outline again, w7.87

## Other copper
Top Layer:
  text ".layer_Name" at 4092.28,1123.74 h60
Bottom Layer:
  text ".layer_Name" at 4092.28,1023.74 h60

## Silkscreen, mask and mechanical layers (free items; w line width, h text height)
Top Overlay:
  drawing of 9453 lines, arcs and shapes, not listed
  text ".layer_Name" at 4092.28,923.74 h60
  text "P ASS" at 4995,-145 h80
  text "A LL" at 4985,-200 h80
  text "S IGNALS" at 4990,-255 h80
  text "T O" at 4990,-310 h80
  text "A NOTHER" at 4985,-365 h80
  text "BOARD" at 5055,-425 h80
  text "PS5 UPGRADE KIT UP5" at 4960,-505 h80
  text "SH  G  D+  D-  5V" at 2310,-565 h80
  text "TURBO" at 790,-945 h80
  text "P ASS" at 2880,-1030 h150
  text "A LL" at 2870,-1130 h150
  text "PLAYER LEDS" at 205,-1210 h80
  text "S IGNALS" at 2875,-1230 h150
  text "T O" at 2875,-1330 h150
  text "A NOTHER" at 2870,-1430 h150
  text "STICK MODE" at 340,-1495 h80
  text "BOARD" at 2995,-1555 h150
  text "FOR RAZER PANTHERA PS3 PS4" at 2850,-1630 h50
  text "USB" at 4990,-1745 h80
  text "REV B" at 2585,-1775 h30
  text "DESIGNED: 4/10/22" at 2585,-1822.24 h30
  text "SEE MANUAL" at 3480.08,-1846.63 h35
  text "BITBANGGAMING.COM" at 2585,-1869.49 h30
  text "FOR INSTALLATION" at 3484.02,-1901.75 h35
  text "PASTA BOARD" at 2585,-1916.73 h30
  text "INSTRUCTIONS" at 3484.02,-1956.87 h35
  text "RAZER PANTHERA PS3 PS4" at 2585,-1963.98 h30
  text "p" at 4049.53,-1993.76 h200
  text "a" at 3298.98,-2000.17 h250
  text "TPKEY / L3 / R3" at 698.82,-2017.72 h80
  text "20 PIN HARNESS" at 1785,-2055 h80
  text "R" at 4224.53,-2118.76 h450
Bottom Overlay:
  text ".layer_Name" at 4092.28,823.74 h60
Top Paste:
  text ".layer_Name" at 4092.28,723.74 h60
Bottom Paste:
  text ".layer_Name" at 4092.28,623.74 h60
Top Solder:
  text ".layer_Name" at 4092.28,523.74 h60
Bottom Solder:
  text ".layer_Name" at 4092.28,423.74 h60
Mechanical 1:
  the board outline again, w7.87
Drill Drawing:
  circle w2.33: c94.44,1705 r15
  circle w2.33: c94.44,1705 r25
  circle w2.33: c94.44,1555 r25
  lines w2.33: 69.44,630 119.44,630 119.44,680 69.44,680 69.44,630 ; 69.44,780 119.44,780 119.44,830 69.44,830 69.44,780 ; 69.44,942.5 81.94,942.5 81.94,930 106.94,930 106.94,942.5 119.44,942.5 119.44,967.5 106.94,967.5 106.94,980 81.94,980 81.94,967.5 69.44,967.5 69.44,942.5 ; 69.44,1092.5 81.94,1092.5 94.44,1080 106.94,1092.5 119.44,1092.5 106.94,1105 119.44,1117.5 106.94,1117.5 94.44,1130 81.94,1117.5 69.44,1117.5 81.94,1105 69.44,1092.5 ; 69.44,1255 94.44,1230 119.44,1255 94.44,1280 69.44,1255 ; 69.44,1380 69.44,1392.5 81.94,1405 69.44,1417.5 69.44,1430 81.94,1430 94.44,1417.5 106.94,1430 119.44,1430 119.44,1417.5 106.94,1405 119.44,1392.5 119.44,1380 106.94,1380 94.44,1392.5 81.94,1380 69.44,1380 ; 69.44,1842.5 81.94,1842.5 81.94,1830 106.94,1830 106.94,1842.5 119.44,1842.5 119.44,1867.5 106.94,1867.5 106.94,1880 81.94,1880 81.94,1867.5 69.44,1867.5 69.44,1842.5 ; 79.44,790 109.44,790 109.44,820 79.44,820 79.44,790 ; 79.44,947.5 86.94,947.5 86.94,940 101.94,940 101.94,947.5 109.44,947.5 109.44,962.5 101.94,962.5 101.94,970 86.94,970 86.94,962.5 79.44,962.5 79.44,947.5
  lines w15: 1.31,585 3880.28,585 ; 1.31,1935 3880.28,1935 ; 552.19,435 552.19,2085 ; 1250,435 1250,2085 ; 2595.6,435 2595.6,2085 ; 3101.48,435 3101.48,2085 ; 1.31,435 3880.28,435 3880.28,2085 1.31,2085 1.31,435
  text "Notes:" at 4079.59,2175.31 h60
  text "1) Build to IPC class II." at 4079.59,2075.31 h60
  text "Symbol" at 91.31,1980 h72
  text "Hit Count" at 597.19,1980 h72
  text "Finished Hole Size" at 1295,1980 h72
  text "Plated" at 2640.6,1980 h72
  text "Hole Type" at 3146.48,1980 h72
  text "2) Electrical test required." at 4079.59,1975.31 h60
  text "3) Black soldermask." at 4079.59,1875.31 h60
  text "10" at 597.19,1830 h60
  text "204.724mil (5.200mm)" at 1295,1830 h60
  text "NPTH" at 2640.6,1830 h60
  text "Round" at 3146.48,1830 h60
  text "4) White silkscreen." at 4079.59,1775.31 h60
  text "2" at 597.19,1680 h60
  text "204.724mil (5.200mm)" at 1295,1680 h60
  text "NPTH" at 2640.6,1680 h60
  text "Slot" at 3146.48,1680 h60
  text "5) 1.6mm thickness overall." at 4079.59,1675.31 h60
  text "6) 1oz copper on top side." at 4079.59,1575.31 h60
  text "134" at 597.19,1530 h60
  text "14.000mil (0.356mm)" at 1295,1530 h60
  text "PTH" at 2640.6,1530 h60
  text "Round" at 3146.48,1530 h60
  text "7) Lead free HASL finish." at 4079.59,1475.31 h60
  text "17" at 597.19,1380 h60
  text "31.496mil (0.800mm)" at 1295,1380 h60
  text "PTH" at 2640.6,1380 h60
  text "Round" at 3146.48,1380 h60
  text "8) Route all edges to be smooth." at 4079.59,1375.32 h60
  text "9) Double layer PCB, FR4." at 4079.59,1275.32 h60
  text "4" at 597.19,1230 h60
  text "36.221mil (0.920mm)" at 1295,1230 h60
  text "PTH" at 2640.6,1230 h60
  text "Round" at 3146.48,1230 h60
  text "73" at 597.19,1080 h60
  text "40.000mil (1.016mm)" at 1295,1080 h60
  text "PTH" at 2640.6,1080 h60
  text "Round" at 3146.48,1080 h60
  text "5" at 597.19,930 h60
  text "51.181mil (1.300mm)" at 1295,930 h60
  text "PTH" at 2640.6,930 h60
  text "Round" at 3146.48,930 h60
  text "2" at 597.19,780 h60
  text "90.551mil (2.300mm)" at 1295,780 h60
  text "PTH" at 2640.6,780 h60
  text "Round" at 3146.48,780 h60
  text "5" at 597.19,630 h60
  text "165.354mil (4.200mm)" at 1295,630 h60
  text "PTH" at 2640.6,630 h60
  text "Round" at 3146.48,630 h60
  text "252 Total" at 597.19,480 h60
  text ".layer_Name" at 4092.28,323.74 h60

## Text inside footprints (layer, text, board x,y; h text height)
J5: Mechanical 2 "1" at 137.8,-1602.36 h39.37 r90
J6: Mechanical 2 "1" at 487.2,-2015.75 h39.37 r180
J7: Mechanical 2 "1" at 9.84,-1179.13 h39.37 r90
J8: Mechanical 2 "1" at 764.76,-703.74 h39.37